# KiCad board Turbo_XT_Mainboard R3.kicad_pcb (continued)
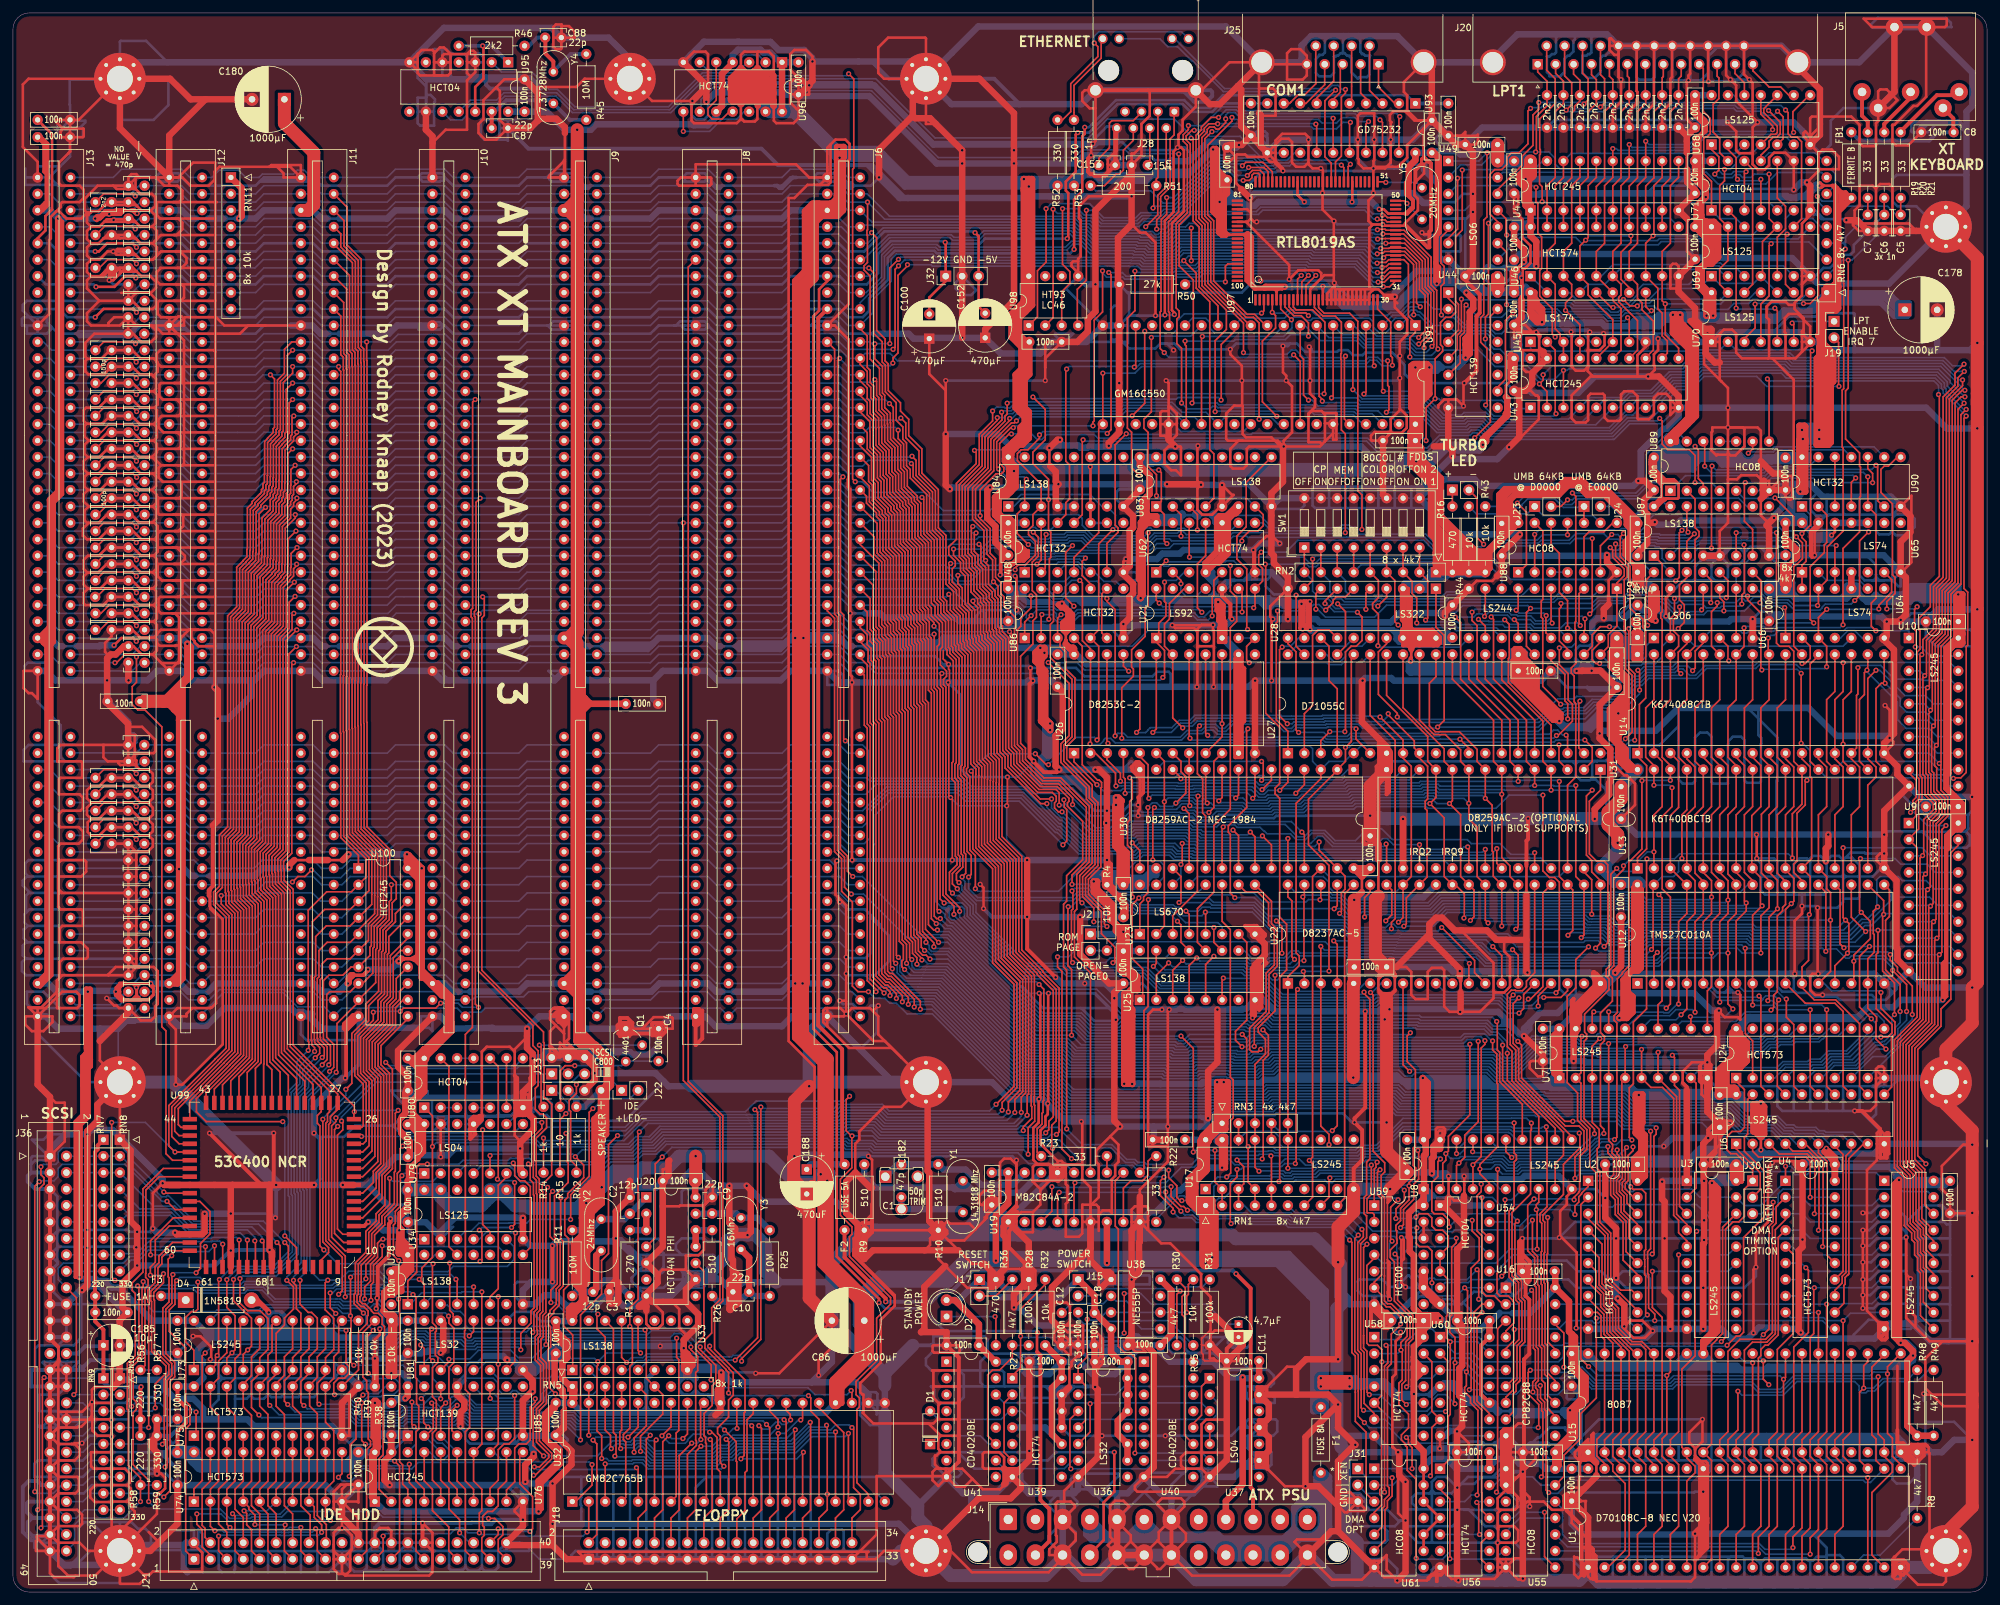
[diagram p0: board, top side]
## Nets (continued)
/IRQ2: U30.20 U31.17
/IRQ3: C118.2 J6.25 J8.25 J9.25 J10.25 J11.25 J12.25 J13.25 U30.21 U97.3
/IRQ4: C117.2 J6.24 J8.24 J9.24 J10.24 J11.24 J12.24 J13.24 U30.22 U91.30
/IRQ5: C116.2 J6.23 J8.23 J9.23 J10.23 J11.23 J12.23 J13.23 U30.23
/IRQ6: C115.2 J6.22 J8.22 J9.22 J10.22 J11.22 J12.22 J13.22 U30.24 U32.16
/IRQ7: C114.2 J6.21 J8.21 J9.21 J10.21 J11.21 J12.21 J13.21 J19.2 U30.25 U99.4
/IRQ8: U31.18
/IRQ9: C101.2 J6.4 J8.4 J9.4 J10.4 J11.4 J12.4 J13.4 U31.19
/IRQ10: C162.2 J6.65 J8.65 J9.65 J10.65 J11.65 J12.65 J13.65 U31.20
/IRQ11: C163.2 J6.66 J8.66 J9.66 J10.66 J11.66 J12.66 J13.66 U31.21
/IRQ12: C164.2 J6.67 J8.67 J9.67 J10.67 J11.67 J12.67 J13.67 U31.22
/IRQ13: U31.23
/IRQ14: C165.2 J6.69 J8.69 J9.69 J10.69 J11.69 J12.69 J13.69 U31.24
/IRQ15: C166.2 J6.68 J8.68 J9.68 J10.68 J11.68 J12.68 J13.68 U31.25
/ISAIO: J6.32 J8.32 J9.32 J10.32 J11.32 J12.32 J13.32
/KB_CLK: C7.1 R19.1 RN6.4 U64.12 U66.8
/KB_DATA: C6.1 R20.1 RN6.2 U28.17 U66.4
/KBD_QH: U28.12 U64.2
/LA17: C155.2 J6.88 J8.88 J9.88 J10.88 J11.88 J12.88 J13.88
/LA18: C156.2 J6.87 J8.87 J9.87 J10.87 J11.87 J12.87 J13.87
/LA19: C157.2 J6.86 J8.86 J9.86 J10.86 J11.86 J12.86 J13.86
/LA20: C158.2 J6.85 J8.85 J9.85 J10.85 J11.85 J12.85 J13.85
/LA21: C159.2 J6.84 J8.84 J9.84 J10.84 J11.84 J12.84 J13.84
/LA22: C160.2 J6.83 J8.83 J9.83 J10.83 J11.83 J12.83 J13.83
/LA23: C161.2 J6.82 J8.82 J9.82 J10.82 J11.82 J12.82 J13.82
/LD0: U43.18 U45.3 U46.2 U47.18 U68.3
/LD1: U43.17 U45.4 U46.3 U47.17 U70.8
/LD2: U43.16 U45.6 U46.4 U47.16 U69.8
/LD3: U43.15 U45.11 U46.5 U47.15 U68.6 U69.6
/LD4: U43.14 U45.13 U46.6 U47.14 U68.8 U69.3
/LD5: U43.13 U45.14 U46.7 U47.13 U68.11
/LD6: U43.12 U46.8 U47.12 U69.11
/LD7: U43.11 U46.9 U47.11 U70.11
/LOAD_RD_H: U75.11 U79.2
/LOAD_WR_H: U74.11 U79.4
/LPT_ACK: U70.5 U71.2
/LPT_AUTO_FD_XT: U70.9 U71.6
/LPT_BUSY: J20.11 U71.13
/LPT_D0: C21.1 J20.2 U46.19 U47.2
/LPT_D1: C22.1 J20.3 U46.18 U47.3
/LPT_D2: C23.1 J20.4 U46.17 U47.4
/LPT_D3: C24.1 J20.5 U46.16 U47.5
/LPT_D4: C25.1 J20.6 U46.15 U47.6
/LPT_D5: C26.1 J20.7 U46.14 U47.7
/LPT_D6: C27.1 J20.8 U46.13 U47.8
/LPT_D7: C28.1 J20.9 U46.12 U47.9
/LPT_EXT_DATA_IN: U45.15 U46.1
/LPT_IRQ_EN: U45.12 U49.9 U69.2
/LPT_PE: J20.12 U68.12
/LPT_SELECT: J20.13 U68.9
/LPT_SELECT_IN: U69.5 U71.10
/LPT_STROBE: U68.2 U71.4
/MD0: U10.18 U13.13 U14.13
/MD1: U10.17 U13.14 U14.14
/MD2: U10.16 U13.15 U14.15
/MD3: U10.15 U13.17 U14.17
/MD4: U10.14 U13.18 U14.18
/MD5: U10.13 U13.19 U14.19
/MD6: U10.12 U13.20 U14.20
/MD7: U10.11 U13.21 U14.21
/NMI: R8.2 U1.17
/NP_NPI: U15.32
/ON_PULSE: D1.2 U37.2 U39.3
/OSC: J6.30 J8.30 J9.30 J10.30 J11.30 J12.30 J13.30 R23.2 U21.1 U62.3 U99.49
/PCLK: U21.8 U21.14 U64.11 U65.3
/PPI_PA0: U27.4 U28.13
/PPI_PA1: U27.3 U28.7
/PPI_PA2: U27.2 U28.14
/PPI_PA3: U27.1 U28.6
/PPI_PA4: U27.40 U28.15
/PPI_PA5: U27.39 U28.5
/PPI_PA6: U27.38 U28.16
/PPI_PA7: U27.37 U28.4
/PPI_PB2: RN4.2 U27.20 U62.12
/PPI_PB3: RN4.3 U27.21 U29.1 U66.1
/PPI_PB4: RN4.4 U27.22
/PPI_PB5: RN4.5 U27.23
/PPI_PB6: U27.24 U66.5
/PPI_PB7: U27.25 U28.8 U66.11
/PPI_PC0: U27.14 U29.9 U29.18
/PPI_PC1: U27.15 U29.7 U29.16
/PPI_PC2: U27.16 U29.5 U29.14
/PPI_PC3: U27.17 U29.3 U29.12
/PPI_PC4: U27.13
/QS0: U1.25 U15.25
/QS1: U1.24 U15.24
/RDY_TO_DMA: U22.6 U61.3
/READY: U1.22 U15.22 U19.5
/RESET: U1.21 U15.21 U19.10 U21.6 U21.7 U22.13 U27.35 U32.19 U54.3 U99.24
/RESETDRV: C98.2 J6.2 J8.2 J9.2 J10.2 J11.2 J12.2 J13.2 U8.13 U97.33
/RESETISA: U8.7 U54.6
/ROM_P1: J2.2 R4.2 U12.2
/SCSI_ASEL0: J33.1 U99.10
/SCSI_ASEL1: J33.3 U99.11
/SCSI_ASEL2: J33.5 U99.12
/SD0: U99.22 U100.18
/SD1: U99.21 U100.17
/SD2: U99.20 U100.16
/SD3: U99.19 U100.15
/SD4: U99.17 U100.14
/SD5: U99.16 U100.13
/SD6: U99.15 U100.12
/SD7: U99.14 U100.11
/SPKDATA: U27.19 U88.13
/T_C: C120.2 J6.27 J8.27 J9.27 J10.27 J11.27 J12.27 J13.27 U32.6 U54.10
/TCLK: U21.12 U26.9 U26.15 U26.18
/TERMPWR: C185.1 C186.1 F3.2 J36.26 R56.1 R58.1 RN7.1 RN9.1
/TIM1OUT: U26.13
/TIM2GSPK: U26.16 U27.18
/TIM2OUT: U26.17 U27.12 U88.12
/TIMING_CLK: R35.2 U36.1 U36.4 U38.3
/TURBO: U19.13 U62.9
/X7X: U91.13 U95.10
/XA0: U6.11 U12.12 U13.12 U14.12 U22.32 U23.14 U26.19 U27.9 U30.27 U31.27
/XA1: U6.12 U12.11 U13.11 U14.11 U22.33 U23.13 U26.20 U27.8
/XA2: U6.13 U12.10 U13.10 U14.10 U22.34
/XA3: U6.14 U12.9 U13.9 U14.9 U22.35
/XA4: U6.15 U12.8 U13.8 U14.8 U22.37 U48.2
/XA5: U6.16 U12.7 U13.7 U14.7 U22.38 U25.1
/XA6: U6.17 U12.6 U13.6 U14.6 U22.39 U25.2
/XA7: U6.18 U12.5 U13.5 U14.5 U22.40 U25.3
/XA8: U7.11 U12.27 U13.27 U14.27 U25.5 U90.1
/XA9: U7.12 U12.26 U13.26 U14.26 U25.4 U90.2
/XA10: U7.13 U12.23 U13.23 U14.23
/XA11: U7.14 U12.25 U13.25 U14.25
/XA12: U7.15 U12.4 U13.4 U14.4
/XA13: U7.16 U12.28 U13.28 U14.28
/XA14: U7.17 U12.29 U13.3 U14.3
/XA15: U7.18 U12.3 U13.31 U14.31
/XA16: U8.18 U13.2 U14.2 U87.1
/XA17: U8.17 U13.30 U14.30 U87.2
/XA18: U8.16 U13.1 U14.1 U87.3
/XA19: U8.15 U13.22 U87.6
/XD0: U9.18 U12.13 U22.30 U23.15 U24.9 U26.8 U27.34 U30.11 U31.11
/XD1: U9.17 U12.14 U22.29 U23.1 U24.8 U26.7 U27.33 U30.10 U31.10
/XD2: U9.16 U12.15 U22.28 U23.2 U24.7 U26.6 U27.32 U30.9 U31.9
/XD3: U9.15 U12.17 U22.27 U23.3 U24.6 U26.5 U27.31 U30.8 U31.8
/XD4: U9.14 U12.18 U22.26 U24.5 U26.4 U27.30 U30.7 U31.7
/XD5: U9.13 U12.19 U22.23 U24.4 U26.3 U27.29 U30.6 U31.6
/XD6: U9.12 U12.20 U22.22 U24.3 U26.2 U27.28 U30.5 U31.5
/XD7: U9.11 U12.21 U22.21 U24.2 U26.1 U27.27 U30.4 U31.4
/XD_DIR: U9.1 U89.8
/~{00X}: U83.15
/~{06X}: U25.12 U48.1
/~{08X}: U83.14
/~{10X}: U83.13
/~{18X}: U83.12
/~{20X}: U83.11
/~{28X}: U83.10
/~{30X}: U81.1 U83.9 U86.4
/~{38X}: U33.5 U83.7 U91.14
/~{A1}: U78.6 U79.6
/~{AEN}: J30.3 U16.15 U25.6 U58.6
/~{BIDE_CS0}: J21.37 U76.12
/~{BIDE_CS1}: J21.38 U76.11
/~{BIOR}: U32.1 U48.4 U73.1 U76.13 U78.2 U80.1 U81.4 U91.21 U97.29
/~{BIOW}: J21.23 U32.2 U48.12 U76.14 U78.1 U91.18 U97.30
/~{CLK}: U54.8 U56.11
/~{COM1_CTS}: U91.36 U93.14
/~{COM1_DCD}: U91.38 U93.19
/~{COM1_DSR}: U91.37 U93.18
/~{COM1_DTR}: U91.33 U93.13
/~{COM1_RI}: U91.39 U93.12
/~{COM1_RTS}: U91.32 U93.16
/~{DACK0}: U8.9 U22.25
/~{DACK1}: C110.2 J6.17 J8.17 J9.17 J10.17 J11.17 J12.17 J13.17 U22.24
/~{DACK2}: C119.2 J6.26 J8.26 J9.26 J10.26 J11.26 J12.26 J13.26 U22.14 U23.4 U32.5
/~{DACK3}: C108.2 J6.15 J8.15 J9.15 J10.15 J11.15 J12.15 J13.15 U22.15 U23.5
/~{DC}: J18.34 RN5.6 U79.9
/~{DEN}: U5.19 U54.12
/~{DIR}: J18.18 U32.28
/~{DMA_CS}: U22.11 U25.15
/~{DMAAEN}: J30.1 U17.1 U23.11 U24.1 U59.6 U61.5
/~{DMAWAIT}: U19.4 U60.8
/~{DSA}: J18.14 U32.30
/~{DSB}: J18.12 U32.32
/~{EOP}: RN1.9 U22.36 U54.11
/~{FDC_CS}: U32.3 U33.13
/~{FDC_LDCR}: U32.18 U33.12 U81.5
/~{FDC_LDOR}: U32.17 U33.14
/~{IDE_ACT}: J21.39 U34.1
/~{IDE_CS0}: U76.8 U85.12
/~{IDE_CS1}: U76.9 U85.11
/~{IDE_CS}: U73.19 U78.4 U81.3 U85.15
/~{IDE_DMACK}: J21.29 R38.1
/~{IDE_DMARQ}: J21.21 R39.1
/~{IDX}: J18.8 RN5.2 U32.39
/~{INT1_CS}: U25.14 U30.1
/~{INT2_CS}: U25.10 U31.1
/~{INTA}: RN1.7 U16.14 U30.26 U31.26 U89.13
/~{IOR_DLY}: J21.25 U80.8
/~{IOR}: C107.2 J6.14 J8.14 J9.14 J10.14 J11.14 J12.14 J13.14 RN1.5 U16.13 U17.5 U76.7
/~{IOW}: C106.2 J6.13 J8.13 J9.13 J10.13 J11.13 J12.13 J13.13 RN1.3 U16.12 U17.3 U76.6 U99.48
/~{KB_RESET}: C5.1 R21.1 U70.3
/~{LOCK}: U1.29 U55.9
/~{LPT_ACK}: J20.10 U69.12 U71.1
/~{LPT_AUTO_FD_XT}: J20.14 RN6.6 U49.4 U71.5
/~{LPT_BUSY}: U70.12 U71.12
/~{LPT_CS}: U48.5 U48.13 U86.8
/~{LPT_ERROR}: J20.15 U68.5
/~{LPT_INIT}: J20.16 RN6.5 U49.12 U69.9
/~{LPT_IRQ_EN}: RN6.3 U49.8 U70.4
/~{LPT_RD_A}: U44.4 U47.19
/~{LPT_RD_B}: U44.5 U68.4 U68.10 U68.13 U69.13 U70.13
/~{LPT_RD_C}: U44.6 U68.1 U69.1 U69.4 U69.10 U70.10
/~{LPT_SELECT_IN}: J20.17 RN6.9 U49.10 U71.11
/~{LPT_STROBE}: C29.1 J20.1 RN6.7 U49.2 U71.3
/~{LPT_WR_A}: U44.12 U46.11
/~{LPT_WR_C}: U44.10 U45.9
/~{MEMR}: C104.2 J6.12 J8.12 J9.12 J10.12 J11.12 J12.12 J13.12 RN1.2 U16.7 U17.2 U97.31 U99.46 U100.1
/~{MEMW}: C103.2 J6.11 J8.11 J9.11 J10.11 J11.11 J12.11 J13.11 RN1.4 U16.8 U17.4 U97.32 U99.47
/~{MOTEA}: J18.10 U32.33
/~{MOTEB}: J18.16 U32.34
/~{MR}: C167.2 J6.89 J8.89 J9.89 J10.89 J11.89 J12.89 J13.89
/~{MWTC}: RN1.6 U16.9
/~{MW}: C168.2 J6.90 J8.90 J9.90 J10.90 J11.90 J12.90 J13.90
/~{OE_RD_H}: U75.1 U78.10
/~{OE_WR_H_DLY}: U74.1 U81.11
/~{OE_WR_H}: U78.13 U80.13
/~{PPI_CS}: U27.6 U48.3
/~{PPI_PB3}: RN4.6 U29.19 U66.2
/~{PPI_PB6}: RN4.7 U66.6 U66.9
/~{PPI_PB7}: RN4.8 U28.9 U64.1 U66.10
/~{RAM_ACT}: U10.19 U90.8
/~{RAMCS1}: U14.22 U88.6 U89.5
/~{RDD}: J18.30 RN5.5 U32.20
/~{RDY}_WAIT: U19.3 U58.9 U60.2
/~{REFRESH}: C112.2 J6.19 J8.19 J9.19 J10.19 J11.19 J12.19 J13.19 U8.11
/~{RESET}: J21.1 U45.1 U54.4 U54.5 U56.1 U58.1 U60.1 U60.13 U62.1 U64.13 U65.1 U70.2
/~{RES}: U19.11 U37.6
/~{ROM_RD}: U89.12 U90.6
/~{ROMCS}: U12.22 U87.7 U90.4
/~{RQ_GT}: U1.30 U15.31
/~{S0}: U1.26 U15.26 U16.19 U55.10
/~{S1}: U1.27 U15.27 U16.3 U55.12
/~{S2}: U1.28 U15.28 U16.18
/~{SCSI_ACK}: J36.38 RN9.5 RN10.5 U99.57
/~{SCSI_ATN}: J36.32 RN9.3 RN10.3 U99.60
/~{SCSI_BSY}: J36.36 RN9.4 RN10.4 U99.59
/~{SCSI_CD}: J36.46 RN9.9 RN10.9 U99.53
/~{SCSI_DB0}: J36.2 RN7.2 RN8.2 U99.3
/~{SCSI_DB1}: J36.4 RN7.3 RN8.3 U99.2
/~{SCSI_DB2}: J36.6 RN7.4 RN8.4 U99.68
/~{SCSI_DB3}: J36.8 RN7.5 RN8.5 U99.67
/~{SCSI_DB4}: J36.10 RN7.6 RN8.6 U99.66
/~{SCSI_DB5}: J36.12 RN7.7 RN8.7 U99.65
/~{SCSI_DB6}: J36.14 RN7.8 RN8.8 U99.63
/~{SCSI_DB7}: J36.16 RN7.9 RN8.9 U99.62
/~{SCSI_DBP}: J36.18 RN9.2 RN10.2 U99.61
/~{SCSI_IO}: J36.50 R58.2 R59.2 U99.50
/~{SCSI_MSG}: J36.42 RN9.7 RN10.7 U99.55
/~{SCSI_REQ}: J36.48 R56.2 R57.2 U99.51
/~{SCSI_RST}: J36.40 RN9.6 RN10.6 U99.56
/~{SCSI_SEL}: J36.44 RN9.8 RN10.8 U99.54
/~{SDRV_SEL}: U99.7 U100.19
/~{SIDE}: J18.32 U32.25
/~{STEP}: J18.20 U32.29
/~{TEST}: R48.2 U1.23 U15.23
/~{TMR_CS}: U25.13 U26.21
/~{TR0}: J18.26 RN5.3 U32.38
/~{WDATA}: J18.22 U32.27
/~{WGATE}: J18.24 U32.26
/~{WP}: J18.28 RN5.4 U32.37
/~{WRTDMAPREG}: U23.12 U86.11
/~{X0X}: U81.2 U84.15
/~{X1X}: U84.14
/~{X2X}: U84.13
/~{X3X}: U84.12
/~{X4X}: U84.11
/~{X5X}: U84.10
/~{X6X}: U84.9
/~{X7X}: U33.4 U84.7 U86.5 U95.11
/~{XEN}: J31.1 U61.6
/~{XIOR}: RN3.5 U17.15 U22.1 U26.22 U27.5 U30.3 U31.3 U59.1 U90.13
/~{XIOW}: RN3.3 U17.17 U22.2 U26.23 U27.36 U30.2 U31.2 U59.2 U86.13
/~{XMEMR}: RN3.2 U10.1 U12.24 U13.24 U14.24 U17.18 U22.3 U89.1 U90.5
/~{XMEMW}: RN3.4 U12.31 U13.29 U14.29 U17.16 U22.4 U89.2
/~{XX0}: U78.5 U85.4
/~{XX4}: U85.5
/~{XX8}: U85.6 U86.10
/~{XXC}: U85.7
Net-(C1-Pad1): C1.1 C182.1 R10.1 U19.17
Net-(C1-Pad2): C1.2 C182.2 Y1.2
Net-(C2-Pad2): C2.2 R11.2 U20.1 Y2.1
Net-(C3-Pad1): C3.1 R11.1 R12.2 Y2.2
Net-(C4-Pad1): C4.1 Q1.3 R15.2
Net-(C8-Pad1): C8.1 FB1.1 J5.5
Net-(C9-Pad2): C9.2 R25.2 U20.13 Y3.1
Net-(C10-Pad1): C10.1 R25.1 R26.1 Y3.2
Net-(C11-Pad1): C11.1 R32.2 U39.1
Net-(C12-Pad1): C12.1 R35.1 U38.2 U38.6
Net-(C13-Pad1): C13.1 U38.5
Net-(C87-Pad2): C87.2 R45.2 U95.13 Y4.1
Net-(C88-Pad1): C88.1 R45.1 R46.1 Y4.2
Net-(C153-Pad2): C153.2 J28.5
Net-(C154-Pad2): C154.2 J28.4
Net-(D1-Pad1): D1.1 R27.2 R28.2 U41.11
Net-(D2-Pad1): D2.1 R36.1
Net-(D4-Pad1): D4.1 F3.1
Net-(F1-Pad2): F1.2 J14.4 J14.6 J14.21 J14.22 J14.23
Net-(F2-Pad2): F2.2 J14.10
Net-(J1-Pad1): J1.1 R15.1
Net-(J4-Pad1): J4.1 R16.2
Net-(J4-Pad2): J4.2 U62.8
Net-(J5-Pad1): J5.1 R19.2
Net-(J5-Pad2): J5.2 R20.2
Net-(J5-Pad3): J5.3 R21.2
Net-(J6-Pad8): J6.8
Net-(J6-Pad63): J6.63
Net-(J6-Pad64): J6.64
Net-(J6-Pad70): J6.70
Net-(J6-Pad71): J6.71
Net-(J6-Pad72): J6.72
Net-(J6-Pad73): J6.73
Net-(J6-Pad74): J6.74
Net-(J6-Pad75): J6.75
Net-(J6-Pad76): J6.76
Net-(J6-Pad77): J6.77
Net-(J6-Pad79): J6.79
Net-(J6-Pad81): J6.81
Net-(J8-Pad8): J8.8
Net-(J8-Pad63): J8.63
Net-(J8-Pad64): J8.64
Net-(J8-Pad70): J8.70
Net-(J8-Pad71): J8.71
Net-(J8-Pad72): J8.72
Net-(J8-Pad73): J8.73
Net-(J8-Pad74): J8.74
Net-(J8-Pad75): J8.75
Net-(J8-Pad76): J8.76
Net-(J8-Pad77): J8.77
Net-(J8-Pad79): J8.79
Net-(J8-Pad81): J8.81
Net-(J9-Pad8): J9.8
Net-(J9-Pad63): J9.63
Net-(J9-Pad64): J9.64
Net-(J9-Pad70): J9.70
Net-(J9-Pad71): J9.71
Net-(J9-Pad72): J9.72
Net-(J9-Pad73): J9.73
Net-(J9-Pad74): J9.74
Net-(J9-Pad75): J9.75
Net-(J9-Pad76): J9.76
Net-(J9-Pad77): J9.77
Net-(J9-Pad79): J9.79
Net-(J9-Pad81): J9.81
Net-(J10-Pad8): J10.8
Net-(J10-Pad63): J10.63
Net-(J10-Pad64): J10.64
Net-(J10-Pad70): J10.70
Net-(J10-Pad71): J10.71
Net-(J10-Pad72): J10.72
Net-(J10-Pad73): J10.73
Net-(J10-Pad74): J10.74
Net-(J10-Pad75): J10.75
Net-(J10-Pad76): J10.76
Net-(J10-Pad77): J10.77
Net-(J10-Pad79): J10.79
Net-(J10-Pad81): J10.81
Net-(J11-Pad8): J11.8
Net-(J11-Pad63): J11.63
Net-(J11-Pad64): J11.64
Net-(J11-Pad70): J11.70
Net-(J11-Pad71): J11.71
Net-(J11-Pad72): J11.72
Net-(J11-Pad73): J11.73
Net-(J11-Pad74): J11.74
Net-(J11-Pad75): J11.75
Net-(J11-Pad76): J11.76
Net-(J11-Pad77): J11.77
Net-(J11-Pad79): J11.79
Net-(J11-Pad81): J11.81
Net-(J12-Pad8): J12.8
Net-(J12-Pad63): J12.63
Net-(J12-Pad64): J12.64
Net-(J12-Pad70): J12.70
Net-(J12-Pad71): J12.71
Net-(J12-Pad72): J12.72
Net-(J12-Pad73): J12.73
Net-(J12-Pad74): J12.74
Net-(J12-Pad75): J12.75
Net-(J12-Pad76): J12.76
Net-(J12-Pad77): J12.77
Net-(J12-Pad79): J12.79
Net-(J12-Pad81): J12.81
Net-(J13-Pad8): J13.8
Net-(J13-Pad63): J13.63
Net-(J13-Pad64): J13.64
Net-(J13-Pad70): J13.70
Net-(J13-Pad71): J13.71
Net-(J13-Pad72): J13.72
Net-(J13-Pad73): J13.73
Net-(J13-Pad74): J13.74
Net-(J13-Pad75): J13.75
Net-(J13-Pad76): J13.76
Net-(J13-Pad77): J13.77
Net-(J13-Pad79): J13.79
Net-(J13-Pad81): J13.81
Net-(J14-Pad1): J14.1
Net-(J14-Pad8): J14.8
Net-(J14-Pad16): J14.16 U39.2 U39.6
Net-(J14-Pad20): J14.20
Net-(J15-Pad2): J15.2 R30.1
Net-(J17-Pad2): J17.2 R27.1
Net-(J18-Pad4): J18.4
Net-(J18-Pad6): J18.6
Net-(J19-Pad1): J19.1 U70.6
Net-(J21-Pad20): J21.20
Net-(J21-Pad27): J21.27
Net-(J21-Pad31): J21.31
Net-(J21-Pad32): J21.32
Net-(J21-Pad34): J21.34
Net-(J22-Pad1): J22.1 R42.1
Net-(J22-Pad2): J22.2 U34.3
Net-(J23-Pad1): J23.1 R44.2 U88.9
Net-(J23-Pad2): J23.2 U87.10
Net-(J24-Pad1): J24.1 R43.2 U88.10
Net-(J24-Pad2): J24.2 U87.9
Net-(J28-Pad1): J28.1 U97.45
Net-(J28-Pad2): J28.2 U97.46
Net-(J28-Pad3): J28.3 R51.1 U97.59
Net-(J28-Pad6): J28.6 R51.2 U97.58
Net-(J28-Pad7): J28.7
Net-(J28-Pad9): J28.9 R52.2
Net-(J28-Pad10): J28.10 U97.61
Net-(J28-Pad11): J28.11 U97.62
Net-(J28-Pad12): J28.12 R53.2
Net-(J30-Pad2): J30.2 U6.1
Net-(J31-Pad2): J31.2 U6.19
Net-(J36-Pad25): J36.25
Net-(Q1-Pad2): Q1.2 R14.1
Net-(R9-Pad2): R9.2 U19.16 Y1.1
Net-(R12-Pad1): R12.1 U20.2 U20.3
Net-(R14-Pad2): R14.2 U88.11
Net-(R22-Pad1): R22.1 U19.8
Net-(R23-Pad1): R23.1 U19.12
Net-(R26-Pad2): R26.2 U20.11 U20.12
Net-(R30-Pad2): R30.2 R31.2 U40.11
Net-(R46-Pad2): R46.2 U95.1 U95.12
Net-(R49-Pad2): R49.2 U1.31
Net-(R50-Pad1): R50.1 U97.96
Net-(RN4-Pad9): RN4.9
Net-(RN5-Pad7): RN5.7
Net-(RN5-Pad8): RN5.8
Net-(RN5-Pad9): RN5.9
Net-(RN6-Pad8): RN6.8 U49.6 U49.13
Net-(U1-Pad32): U1.32
Net-(U1-Pad34): U1.34
Net-(U3-Pad6): U3.6
Net-(U3-Pad7): U3.7
Net-(U3-Pad8): U3.8
Net-(U3-Pad9): U3.9
Net-(U3-Pad11): U3.11
Net-(U3-Pad12): U3.12
Net-(U3-Pad13): U3.13
Net-(U3-Pad14): U3.14
Net-(U12-Pad1): U12.1
Net-(U12-Pad30): U12.30
Net-(U15-Pad17): U15.17
Net-(U15-Pad18): U15.18
Net-(U15-Pad29): U15.29
Net-(U15-Pad30): U15.30
Net-(U16-Pad11): U16.11
Net-(U16-Pad17): U16.17
Net-(U17-Pad6): U17.6
Net-(U17-Pad7): U17.7
Net-(U17-Pad8): U17.8
Net-(U17-Pad9): U17.9
Net-(U17-Pad11): U17.11
Net-(U17-Pad12): U17.12
Net-(U17-Pad13): U17.13
Net-(U17-Pad14): U17.14
Net-(U19-Pad2): U19.2
Net-(U20-Pad6): U20.6
Net-(U20-Pad8): U20.8
Net-(U21-Pad9): U21.9 U86.1
Net-(U21-Pad11): U21.11 U62.2
Net-(U22-Pad9): U22.9
Net-(U25-Pad7): U25.7
Net-(U25-Pad9): U25.9
Net-(U25-Pad11): U25.11 U86.12
Net-(U27-Pad10): U27.10
Net-(U27-Pad11): U27.11
Net-(U28-Pad11): U28.11 U64.3 U65.6
Net-(U32-Pad35): U32.35
Net-(U33-Pad7): U33.7
Net-(U33-Pad9): U33.9
Net-(U33-Pad10): U33.10
Net-(U33-Pad11): U33.11
Net-(U33-Pad15): U33.15
Net-(U34-Pad4): U34.4 U81.6
Net-(U34-Pad5): U34.5 U79.8
Net-(U34-Pad8): U34.8
Net-(U34-Pad11): U34.11
Net-(U34-Pad12): U34.12
Net-(U36-Pad2): U36.2 U37.1 U40.12
Net-(U36-Pad3): U36.3 U40.10
Net-(U36-Pad5): U36.5 U37.3 U41.14
Net-(U36-Pad6): U36.6 U41.10
Net-(U36-Pad8): U36.8
Net-(U36-Pad11): U36.11
Net-(U37-Pad4): U37.4 U37.5
Net-(U37-Pad8): U37.8
Net-(U37-Pad10): U37.10
Net-(U37-Pad12): U37.12
Net-(U38-Pad7): U38.7
Net-(U39-Pad5): U39.5
Net-(U39-Pad8): U39.8
Net-(U39-Pad9): U39.9
Net-(U40-Pad1): U40.1
Net-(U40-Pad2): U40.2
Net-(U40-Pad3): U40.3
Net-(U40-Pad4): U40.4
Net-(U40-Pad5): U40.5
Net-(U40-Pad6): U40.6
Net-(U40-Pad7): U40.7
Net-(U40-Pad9): U40.9
Net-(U40-Pad13): U40.13
Net-(U40-Pad14): U40.14
Net-(U40-Pad15): U40.15
Net-(U41-Pad1): U41.1
Net-(U41-Pad2): U41.2
Net-(U41-Pad3): U41.3
Net-(U41-Pad4): U41.4
Net-(U41-Pad5): U41.5
Net-(U41-Pad6): U41.6
Net-(U41-Pad7): U41.7
Net-(U41-Pad9): U41.9
Net-(U41-Pad12): U41.12
Net-(U41-Pad13): U41.13
Net-(U41-Pad15): U41.15
Net-(U43-Pad1): U43.1 U44.1 U48.6
Net-(U44-Pad7): U44.7
Net-(U44-Pad9): U44.9
Net-(U44-Pad11): U44.11
Net-(U44-Pad15): U44.15 U48.11
Net-(U45-Pad2): U45.2 U49.1
Net-(U45-Pad5): U45.5 U49.3
Net-(U45-Pad7): U45.7 U49.5
Net-(U45-Pad10): U45.10 U49.11
Net-(U48-Pad8): U48.8
Net-(U54-Pad2): U54.2
Net-(U55-Pad3): U55.3
Net-(U55-Pad4): U55.4 U55.8
Net-(U55-Pad6): U55.6 U56.2
Net-(U55-Pad11): U55.5 U55.11
Net-(U56-Pad6): U56.6
Net-(U56-Pad10): U56.8 U56.10
Net-(U56-Pad12): U56.5 U56.12
Net-(U58-Pad8): U58.8 U61.1
Net-(U58-Pad11): U58.11 U59.3
Net-(U58-Pad13): U58.13 U60.6 U61.2
Net-(U59-Pad5): U59.5 U60.9
Net-(U59-Pad8): U59.8
Net-(U59-Pad11): U59.11
Net-(U60-Pad5): U60.5
Net-(U61-Pad8): U61.8
Net-(U61-Pad11): U61.11
Net-(U62-Pad5): U62.5 U86.2
Net-(U62-Pad6): U62.6
Net-(U64-Pad4): U64.4 U64.6
Net-(U64-Pad8): U64.8
Net-(U64-Pad9): U64.9 U65.2
Net-(U65-Pad5): U65.5
Net-(U65-Pad8): U65.8
Net-(U65-Pad9): U65.9
Net-(U66-Pad12): U66.12
Net-(U71-Pad8): U71.8
Net-(U78-Pad7): U78.7
Net-(U78-Pad9): U78.9 U79.3
Net-(U78-Pad11): U78.11
Net-(U78-Pad12): U78.12
Net-(U78-Pad14): U78.14 U79.1
Net-(U78-Pad15): U78.15
Net-(U79-Pad10): U79.10
Net-(U79-Pad12): U79.12
Net-(U80-Pad2): U80.2 U80.3
Net-(U80-Pad4): U80.4 U80.5
Net-(U80-Pad6): U80.6 U80.9
Net-(U80-Pad10): U80.10 U81.12
Net-(U80-Pad11): U80.11 U80.12
Net-(U81-Pad8): U81.8
Net-(U85-Pad9): U85.9
Net-(U85-Pad10): U85.10
Net-(U86-Pad6): U86.6 U86.9
Net-(U87-Pad11): U87.11
Net-(U87-Pad12): U87.12
Net-(U87-Pad13): U87.13
Net-(U87-Pad14): U87.14 U88.2
Net-(U87-Pad15): U87.15 U88.1
Net-(U88-Pad3): U88.3 U88.4
Net-(U88-Pad5): U88.5 U88.8
Net-(U89-Pad3): U89.3 U90.9
Net-(U89-Pad6): U89.6 U90.10
Net-(U89-Pad9): U89.9 U90.11
Net-(U89-Pad10): U89.10 U89.11
Net-(U90-Pad12): U90.3 U90.12
Net-(U91-Pad15): U91.9 U91.15
Net-(U91-Pad17): U91.17
Net-(U91-Pad23): U91.23
Net-(U91-Pad24): U91.24
Net-(U91-Pad29): U91.29
Net-(U91-Pad31): U91.31
Net-(U91-Pad34): U91.34
Net-(U95-Pad2): U95.2 U96.3
Net-(U95-Pad4): U95.4
Net-(U95-Pad6): U95.6
Net-(U95-Pad8): U95.8
Net-(U96-Pad2): U96.2 U96.6
Net-(U96-Pad11): U96.5 U96.11
Net-(U96-Pad12): U96.8 U96.12
Net-(U97-Pad1): U97.1
Net-(U97-Pad2): U97.2
Net-(U97-Pad4): U97.4
Net-(U97-Pad48): U97.48
Net-(U97-Pad49): U97.49
Net-(U97-Pad50): U97.50 Y5.1
Net-(U97-Pad51): U97.51 Y5.2
Net-(U97-Pad53): U97.53
Net-(U97-Pad54): U97.54
Net-(U97-Pad55): U97.55
Net-(U97-Pad56): U97.56
Net-(U97-Pad60): U97.60
Net-(U97-Pad63): U97.63
Net-(U97-Pad65): U97.65
Net-(U97-Pad66): U97.66
Net-(U97-Pad67): U97.67
Net-(U97-Pad68): U97.68
Net-(U97-Pad69): U97.69
Net-(U97-Pad71): U97.71
Net-(U97-Pad72): U97.72
Net-(U97-Pad73): U97.73
Net-(U97-Pad74): U97.74
Net-(U97-Pad75): U97.75
Net-(U97-Pad76): U97.76 U98.1
Net-(U97-Pad77): U97.77 U98.4
Net-(U97-Pad78): U97.78 U98.3
Net-(U97-Pad79): U97.79 U98.2
Net-(U97-Pad80): U97.80
Net-(U97-Pad81): U97.81
Net-(U97-Pad82): U97.82
Net-(U97-Pad84): U97.84
Net-(U97-Pad85): U97.85
Net-(U97-Pad87): U97.87
Net-(U97-Pad88): U97.88
Net-(U97-Pad90): U97.90
Net-(U97-Pad91): U97.91
Net-(U97-Pad92): U97.92
Net-(U97-Pad93): U97.93
Net-(U97-Pad94): U97.94
Net-(U97-Pad95): U97.95
Net-(U97-Pad97): U97.97
Net-(U97-Pad98): U97.98
Net-(U97-Pad99): U97.99
Net-(U97-Pad100): U97.100
Net-(U98-Pad6): U98.6
Net-(U98-Pad7): U98.7
Net-(U99-Pad5): U99.5
Net-(U99-Pad6): U99.6
Net-(U99-Pad8): U99.8
Net-(U99-Pad9): U99.9

Pads without a net: C1 3; J14 2 11 12 13; U21 2 3 4 13

## Via types
v1: diameter 0.8, hole 0.4, Top to Bottom, 1702 vias

## Routing (per net, layer and track width the routed paths; a pad name or vN(x,y) marks a point on that pad's centre or on a via; arc(x,y) is an arc through that point)
/5VSB: length 181.6
  Top w1: U38.8 178.88,46.55 178.88,39.81 C16.1 ; J14.9 187.27,14.04 189.87,16.64 v1(189.87,33.15) ; J15.1 167,45.72 C18.1 167.08,43.1 U38.4 169.54,36.97 170.95,35.56 C15.1 U36.14 U36.13 U36.12 170.58,26.44 170.58,24.36 U36.10 U36.9 ; C17.1 U37.14 ; R32.1 C14.1 U39.14 160.42,31.52 160.42,24.36 U39.10 ; D2.2 145.42,45.08 149.14,41.36 C78.1 151.69,35.56 U41.16
  Bottom w1: J15.1 161.74,45.54 151.95,45.54 J17.1 146.05,45.08 D2.2 ; U39.10 159.38,25.4 U39.4 ; U37.14 189.99,33.02 v1(189.87,33.15) 187.72,33.15 185.31,35.56 U40.16 178.69,35.56 177.16,37.08 C16.1 174.3,38.1 172.08,35.88 C15.1 170.18,33.66 166.69,33.66 164.79,35.56 C14.1 160.02,33.66 156.53,33.66 154.63,35.56 U41.16
/12V: length 394.8
  Top w0.4: v1(19.07,197.6) 18.53,198.14 13.99,198.14 v1(12.7,196.85) ; v1(165.48,226.19) 165.48,225.17 165.1,224.79 165.1,216.28 163.84,215.02 v1(163.84,207.33)
  Top w0.6: F2.1 128.03,66.41 128.03,83.81 124.33,87.5 124.33,196.72 J6.9
  Bottom w0.4: v1(163.84,207.33) 163.22,206.71 142.65,206.71 142.25,207.11 136.17,207.11 135.08,206.02 135.08,202.62 132.19,199.73 132.19,197.83 131.21,196.85 128.9,196.85 127.63,198.12 J6.9 120.01,198.12 118.75,196.85 108.58,196.85 107.31,198.12 J8.9 99.69,198.12 98.42,196.85 88.26,196.85 86.99,198.12 J9.9 79.38,198.12 78.1,196.85 67.94,196.85 66.67,198.12 J10.9 59.05,198.12 57.78,196.85 47.62,196.85 46.35,198.12 J11.9 38.73,198.12 37.46,196.85 27.3,196.85 26.03,198.12 J12.9 19.59,198.12 v1(19.07,197.6) ; v1(12.7,196.85) 8.38,196.85 7.11,198.12 J13.9 ; v1(165.48,226.19) 166.12,226.19 170.31,230.38 180.85,230.38 182.06,229.17 184.85,229.17 186.82,231.14 215.27,231.14 U93.1
  Bottom w0.6: C187.1 U93.1
  Bottom w1: 122.56,65.4 123.2,66.04 F2.1
/-5V: length 187.4
  Top w0.4: C151.1 6.03,225.11 6.03,213.49 5.01,212.46 5.01,210.24 3.81,209.04 J13.5 ; v1(12.7,207.01) 13.27,207.01 14.54,208.28 18.44,208.28 v1(19.06,207.65) ; C152.2 149.1,198.49 J32.3 149.1,209.36 v1(148.54,209.91)
  Bottom w0.4: v1(12.7,207.01) 6.98,207.01 5.71,208.28 J13.5 ; v1(19.06,207.65) 19.06,207.66 19.68,208.28 J12.5 26.03,208.28 27.3,207.01 37.46,207.01 38.73,208.28 J11.5 46.35,208.28 47.62,207.01 57.78,207.01 59.05,208.28 J10.5 66.67,208.28 67.94,207.01 78.1,207.01 79.38,208.28 J9.5 86.99,208.28 88.26,207.01 98.42,207.01 99.69,208.28 J8.5 107.05,208.28 108.32,207.01 118.75,207.01 120.01,208.28 J6.5 127.51,208.28 128.78,207.01 131.44,207.01 134.55,210.11 148.34,210.11 v1(148.54,209.91)
/-12V: length 459
  Top w0.4: C100.2 141.48,199.9 144.02,202.44 J32.1 144.02,208.34 v1(143.94,208.41) ; v1(18.96,202.92) 18.68,203.2 17.31,203.2 15.66,201.55 v1(12.83,201.55) ; v1(158.19,40.05) 158.12,39.98 158.12,37.08 ; v1(162.78,209) 162.94,209.16 162.94,216.03 162.57,216.4 162.57,217.81 164.08,219.33 164.08,225.04 v1(164.41,225.36) ; J6.7 125.73,202.44 124.46,201.17 124.46,197.86 123.57,196.97 123.57,87 127.2,83.37 127.2,51.8 133.73,45.27 v1(133.73,44.7)
  Top w0.6: J14.14 160.02,7.87 160.02,12.83 158.64,14.21 158.64,36.56 158.12,37.08
  Bottom w0.4: v1(158.19,40.05) 157.93,40.3 143.85,40.3 140.33,43.81 134.62,43.81 v1(133.73,44.7) ; v1(12.83,201.55) 12.45,201.93 5.08,201.93 J13.7 ; v1(18.96,202.92) 19.24,203.2 J12.7 26.03,203.2 27.3,201.93 37.46,201.93 38.73,203.2 J11.7 46.35,203.2 47.62,201.93 57.78,201.93 59.05,203.2 J10.7 66.67,203.2 67.94,201.93 78.1,201.93 79.38,203.2 J9.7 86.99,203.2 88.26,201.93 98.42,201.93 99.69,203.2 J8.7 107.31,203.2 108.58,201.93 118.75,201.93 120.01,203.2 J6.7 127.63,203.2 128.9,201.93 131.83,201.93 133.58,203.68 133.58,206.64 135.55,208.61 143.74,208.61 v1(143.94,208.41) 144.14,208.21 149.3,208.21 150.08,209 v1(162.78,209) ; v1(164.41,225.36) 166.14,225.36 170.56,229.78 180.6,229.78 181.81,228.57 185.17,228.57 186.47,229.87 C99.1 193.68,229.87
GNDD: length 21643.7
  Top w0.25: 212.21,46.36 212.21,46.15 212.56,45.8 212.56,45.63 ; 212.21,46.36 212.21,45.59 v1(212.56,45.24) ; 212.21,46.36 212.21,50.81 ; 212.6,50.55 212.6,50.93 212.47,51.05 ; 212.6,50.55 212.34,50.81 ; 212.6,50.55 212.6,45.66 212.56,45.63 ; C17.2 184.02,35.69 183.77,35.94 183.77,36.7 183.51,36.96 183.51,38.23 ; 212.56,45.63 v1(212.56,45.24) ; 212.21,51.31 212.21,50.93 ; 212.21,51.31 212.47,51.05 ; 212.21,51.31 212.21,61.8 v1(212.64,62.23) ; 212.21,50.93 212.46,50.93 212.47,50.93 ; 212.21,50.93 212.21,50.81 ; v1(145.03,113.03) 145.03,122.43 v1(144.78,122.69) 144.5,122.97 144.5,139.93 144.4,140.03 v1(144.4,140.46) 144.6,140.66 144.6,142.38 144.46,142.52 v1(144.46,143.26) 143.64,144.08 143.64,145.41 ; v1(212.56,45.24) 212.34,45.46 212.34,50.54 ; 212.34,50.54 212.47,50.67 212.47,50.93 ; 212.34,50.54 212.34,50.81 ; 212.47,51.05 212.47,50.93 ; 157.46,128.32 157.59,128.32 v1(157.61,128.3) ; 212.34,50.81 212.21,50.81 ; 183.51,38.23 183.64,38.1 R31.1 ; 183.51,38.23 183.51,39.24 183.64,39.24 184.91,40.51 ; v1(153.55,125.85) 153.55,121.53 v1(153.43,121.41) ; J28.8 170.44,220.61 C153.1 ; U25.8 191.39,91.06 v1(191.39,88.65)